# Altium PCB PCB1.PcbDoc
Units mil, origin at the board's own origin, x right, y up, seen from the top; angles counter-clockwise.
Board outline 4210 x 3355 mil, 2 copper layers (Top Layer, Bottom Layer); 4 components, 5 nets, 53 pads, 3 vias.
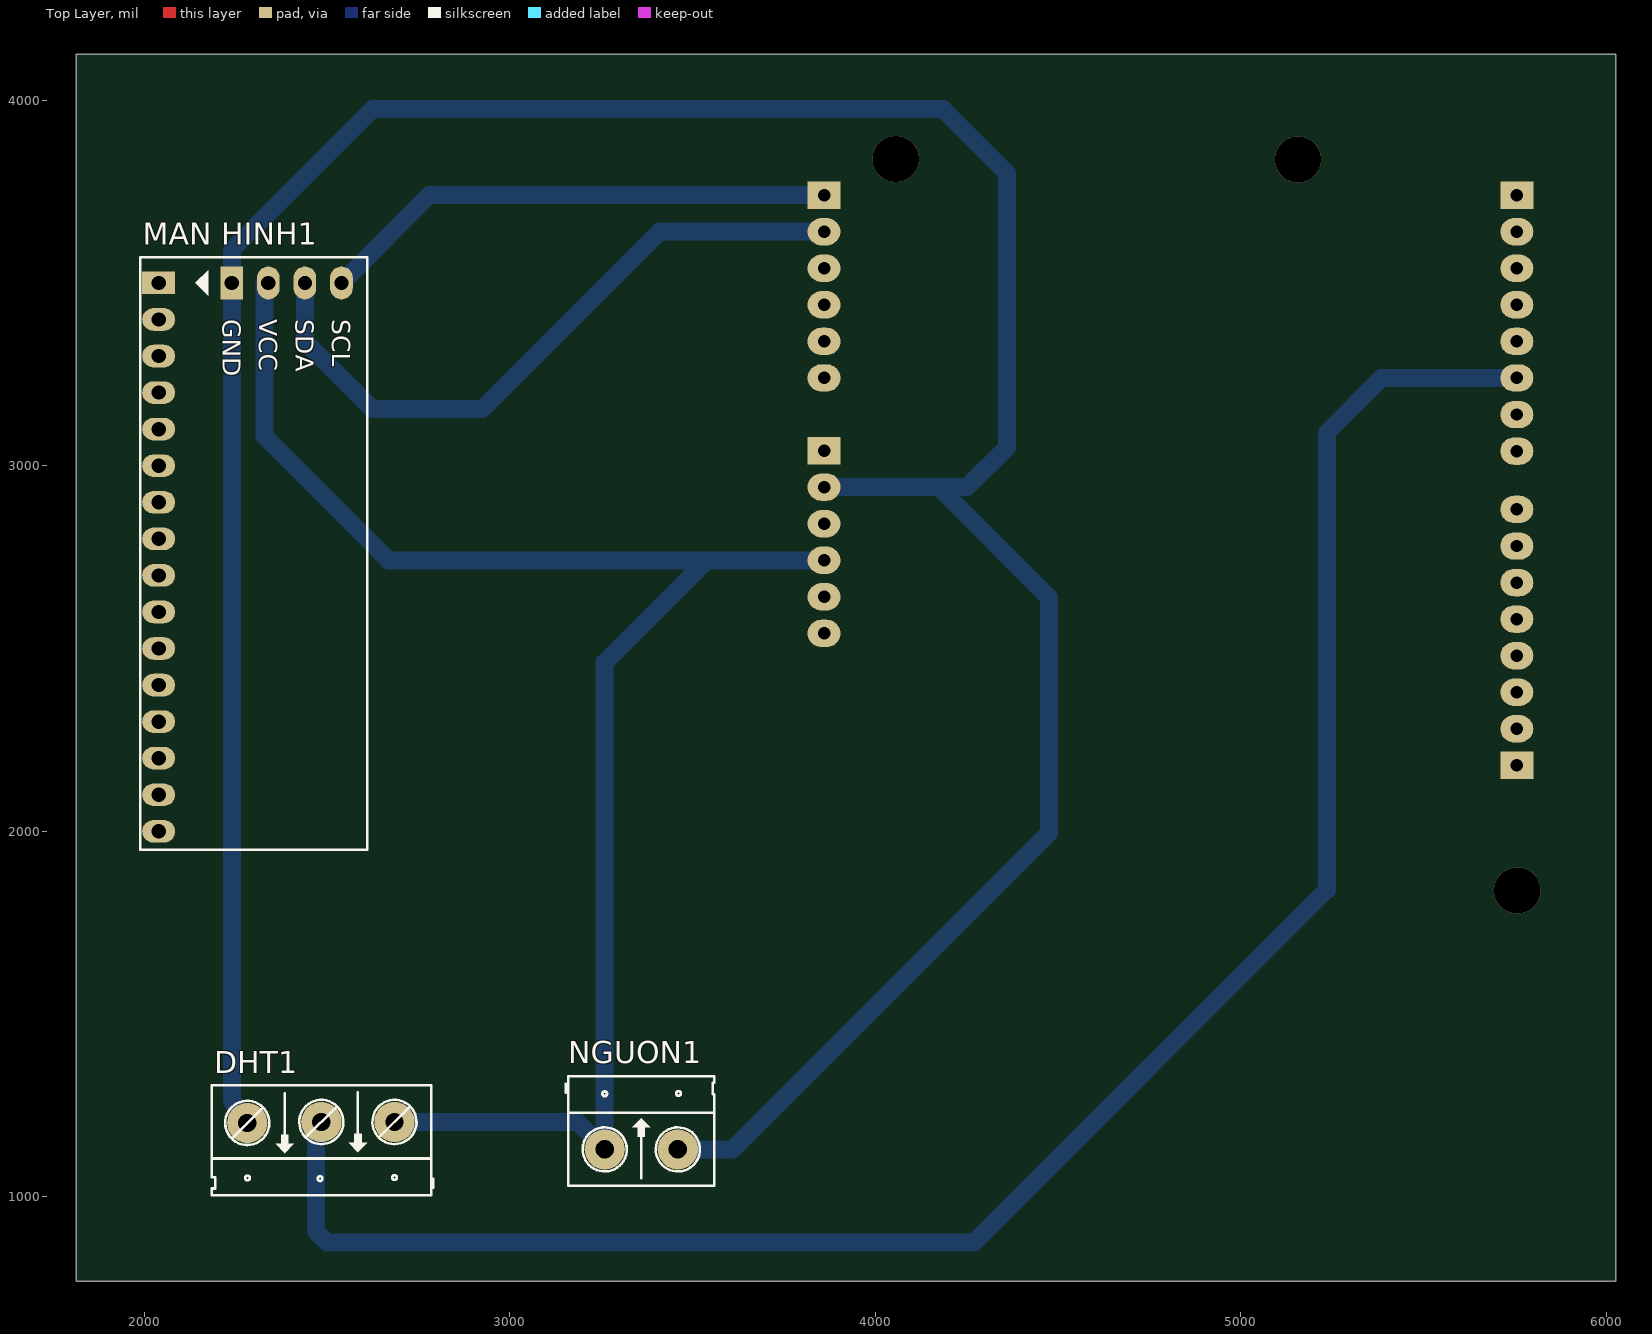
[diagram p0: Top Layer view]
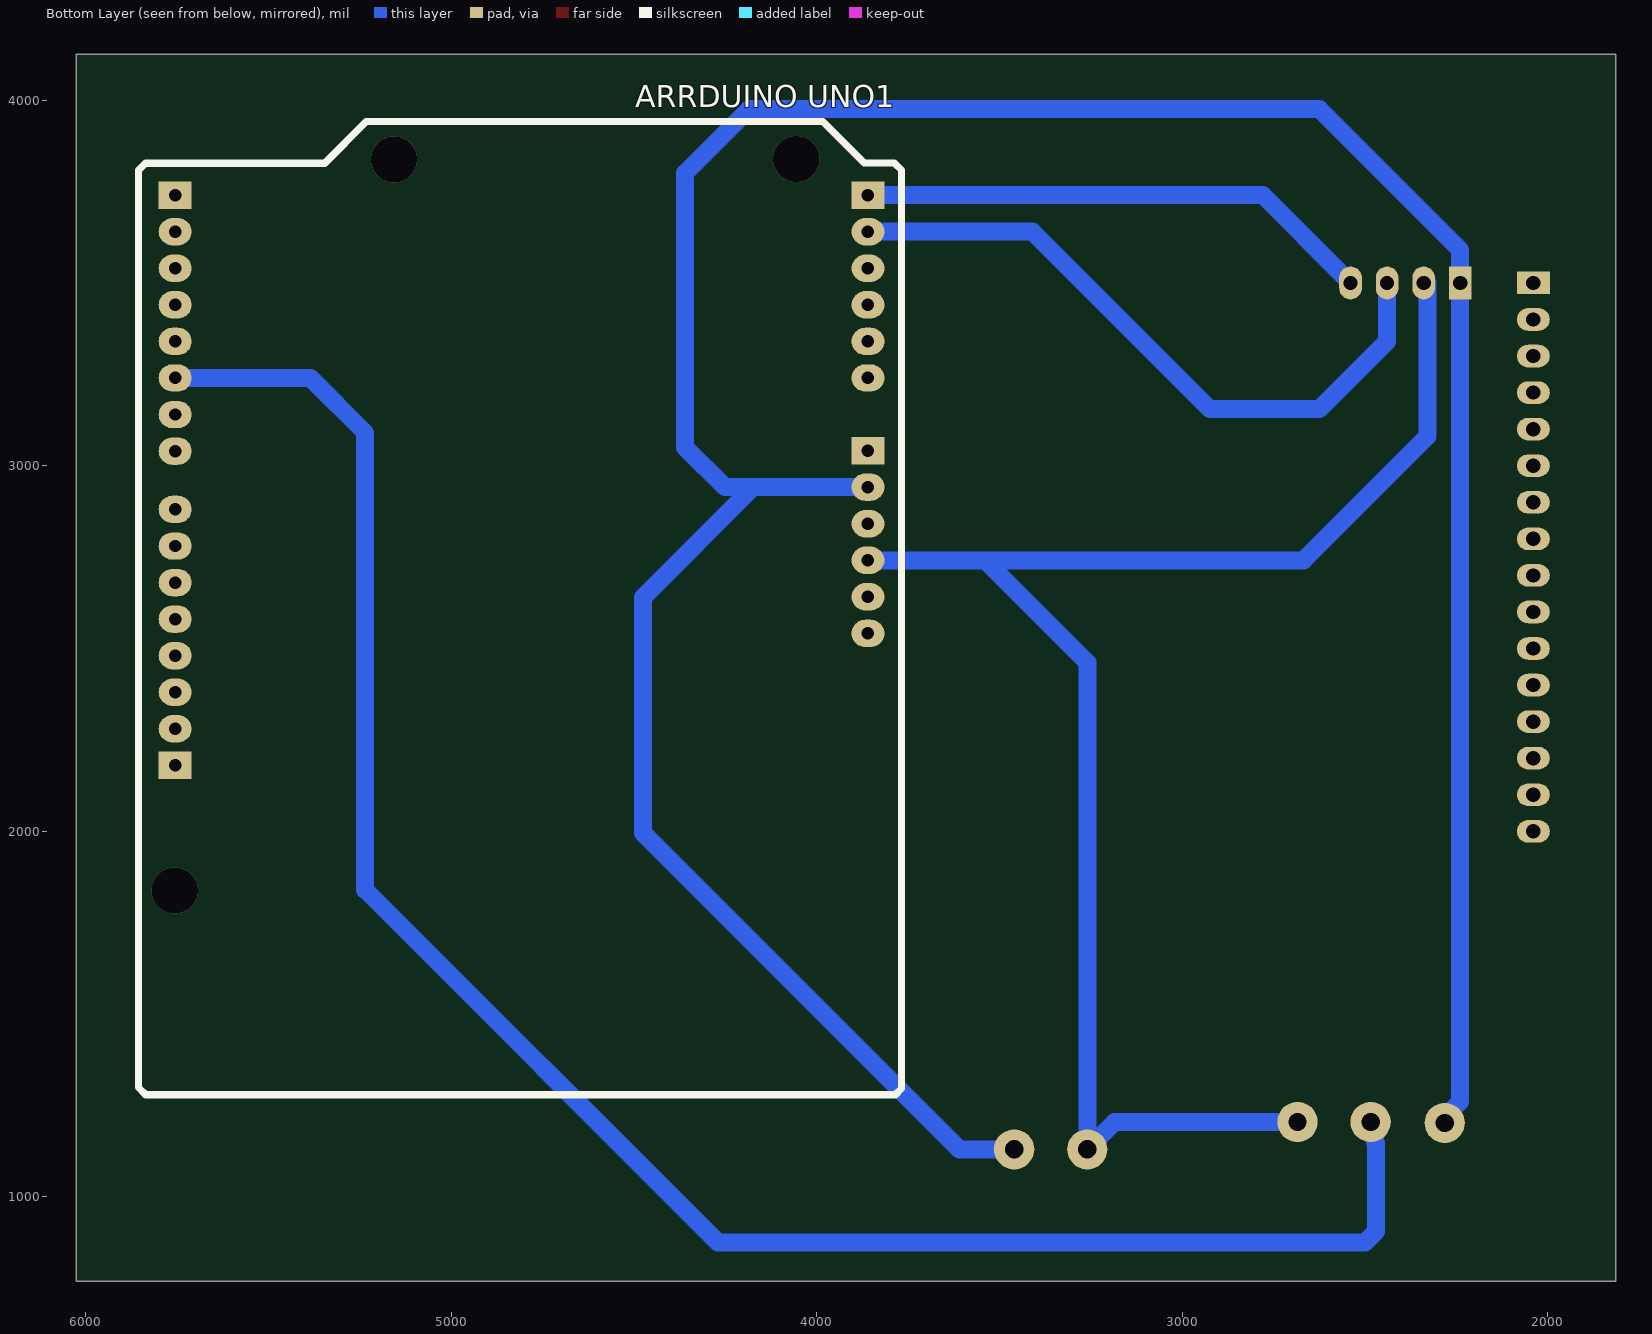
[diagram p1: Bottom Layer view, seen from below]

## Layer stack, top to bottom
Top Solder: solder mask 0.4, Solder Resist, Dk 3.5
Top Layer: signal copper 1.4
Dielectric 1: dielectric 12.6, FR-4, Dk 4.8
Bottom Layer: signal copper 1.4
Bottom Solder: solder mask 0.4, Solder Resist, Dk 3.5

## Board outline
1815,770 6025,770 6025,4125 1815,4125

## Design rules (kind name [scope] priority, off if disabled: settings)
Clearance [All] p1: gap=10 ignorepadtopadclearanceinfootprint=FALSE except(0: Arc-Hole Track-Hole SMDPad-Hole THPad-Hole Via-Hole Fill-Hole Poly-Hole Region-Hole Text-Hole)
DiffPairsRouting [All] p1: maxlimit=49.21 minlimit=39.37 mostfreqgap=39.37 toplayer_minwidth=15 toplayer_maxwidth=15 toplayer_prefwidth=15 bottomlayer_minwidth=15 bottomlayer_maxwidth=15 bottomlayer_prefwidth=15 maxuncoupledlength=500
PolygonConnect [All] p1: connectstyle=Relief reliefconductorwidth=10 reliefentries=4 polygonreliefangle="90 Angle" airgapwidth=10
RoutingVias [All] p1: holewidth=28 width=50 viastyle="Through Hole" minholewidth=28 minwidth=50 maxholewidth=28 maxwidth=50
SolderMaskExpansion [All] p1: expansion=4 istentingtop=FALSE
Width [All] p1: maxlimit=59.06 minlimit=39.37 preferedwidth=49.21
29 further rules are at their usual default settings.

## Components (designator, comment, footprint, x,y, rotation, side; value= is the part's Value field where it differs from the comment)
"ARRDUINO UNO1" "ARDUINO UNO" "ARDUINO UNO" 5855,1279.37 r90 bottom
DHT1 "Header 3" HED3 2685,1205 r180 top
"MAN HINH1" "I2C-LCD16x2" I2C-LCD16X2 2040,3500 r270 top value=LCD16x2A
NGUON1 "Header 2" HED2 3260,1130 r0 top

## Footprints (in the part's own frame and the unit in brackets; to place one, negate y for a bottom-side part, rotate by r counter-clockwise, add the part's x,y. Pads: shape width x height; smd on the part's side, far side on the other; paste and mask are expansions set on the pad)
"ARDUINO UNO" [mil]
  rect 75x90 hole 34: 0(2460.63,-100) 15(901,-100) 21(1762,-1995) 27(2460.63,-1995)
  oval 75x90 hole 34: 1(2360.63,-100) 2(2260.63,-100) 3(2160.63,-100) 4(2060.63,-100) 5(1960.63,-100) 6(1860.63,-100) 7(1760.63,-100) 8(1601,-100) 9(1501,-100) 10(1401,-100) 11(1301,-100) 12(1201,-100) 13(1101,-100) 14(1001,-100) 16(1262,-1995) 17(1362,-1995) 18(1462,-1995) 19(1562,-1995) 20(1662,-1995) 22(1960.63,-1995) 23(2060.63,-1995) 24(2160.63,-1995) 25(2260.63,-1995) 26(2360.63,-1995)
  silkscreen extent 0,-2087 2662,0, body extent -291,-2099 2659,1, height 485
HED2 [mil] "Header 2, 2 pin, hight 300mil, Pin to Pin 200, Colour Green"
  round 110 hole 50: 1(0,0) 2(200,0)
  silkscreen extent -106,-100 300,200, body extent -92,-90 302,205, height 394
HED3 [mil] "Header 3, 3 pin, hight 300mil, Pin to Pin 200, Colour Green"
  round 110 hole 50: 1(0,0) 2(200,0) 3(402.62,2.62)
  silkscreen extent -106,-100 500,200
I2C-LCD16X2 [mil] "LCD dipslay 16x2, 16 pin"
  rect 62x90 hole 39: 1(0,0)
  oval 62x90 hole 39: 2(100,0) 3(200,0) 4(300,0) 5(400,0) 6(500,0) 7(600,0) 8(700,0) 9(800,0) 10(900,0) 11(1000,0) 12(1100,0) 13(1200,0) 14(1300,0) 15(1400,0) 16(1500,0)
  oval 90x62 hole 39: 17(0,500) 18(0,400) 19(0,300)
  rect 90x62 hole 39: 20(0,200)
  silkscreen extent -70,-50 1550,570

## Part data
DHT1: library part Hed3, "Header 3 (Green)"
"MAN HINH1": "LCD dipslay 16 char, 2 line"
NGUON1: "Header 2 (Green)"

## Via types
v1: diameter 125.98, hole 125.98, Top Layer to Bottom Layer, 3 vias

## Nets (pads, with @x,y where several pads share a name; then routed paths per layer and width w, separated by ;. In a path a pad name is that pad's centre, name@x,y a point inside that pad or via, vN(x,y) a via of type N, cw(c..) or ccw(c..) an arc to the next point about the centre after c; other vN are vias at no path point)
GND: "ARRDUINO UNO1.20" "MAN HINH1.20" DHT1.3 NGUON1.2 | length 8513.1
  Bottom Layer w49.21: DHT1.3@2282.38,1185.93 DHT1.3 2282.38,1218.83 2240,1261.21 2240,3500 2240,3590 2625,3975 4185,3975 4360,3800 4360,3050 4251.37,2941.37 4173.63,2941.37 ; NGUON1.2 3610,1130 4475,1995 4475,2640 4173.63,2941.37 ; 3860,2941.37 4173.63,2941.37
"NetARRDUINO UNO1_5": "ARRDUINO UNO1.5" DHT1.2 | length 5321.2
  Bottom Layer w49.21: DHT1.2 2480,1205 2470,1195 2473.37,1191.63 2473.37,1150.39 2470,1147.02 2470,905 2500,875 4270,875 5235,1840 5235,3090 5385,3240 5755,3240
"NetARRDUINO UNO1_26": "ARRDUINO UNO1.26" "MAN HINH1.18" | length 1857.5
  Bottom Layer w49.21: 2440,3500 2440,3340 2625,3155 2925,3155 3410,3640 3860,3640
"NetARRDUINO UNO1_27": "ARRDUINO UNO1.27" "MAN HINH1.17" | length 1425.6
  Bottom Layer w49.21: 2540,3500 2540,3510.54 2545.91,3516.45 2556.45,3516.45 2780,3740 3860,3740
VCC: "ARRDUINO UNO1.18" "MAN HINH1.19" DHT1.1 NGUON1.1 | length 4433.7
  Bottom Layer w49.21: 2340,3500 2330,3500 2330,3080 2668.63,2741.37 3540,2741.37 ; DHT1.1 3185,1205 NGUON1.1 3260,2461.37 3540,2741.37 ; 3860,2741.37 3540,2741.37
pads on no net: "ARRDUINO UNO1.0" "ARRDUINO UNO1.1" "ARRDUINO UNO1.2" "ARRDUINO UNO1.3" "ARRDUINO UNO1.4" "ARRDUINO UNO1.6" "ARRDUINO UNO1.7" "ARRDUINO UNO1.8" "ARRDUINO UNO1.9" "ARRDUINO UNO1.10" "ARRDUINO UNO1.11" "ARRDUINO UNO1.12" "ARRDUINO UNO1.13" "ARRDUINO UNO1.14" "ARRDUINO UNO1.15" "ARRDUINO UNO1.16" "ARRDUINO UNO1.17" "ARRDUINO UNO1.19" "ARRDUINO UNO1.21" "ARRDUINO UNO1.22" "ARRDUINO UNO1.23" "ARRDUINO UNO1.24" "ARRDUINO UNO1.25" "MAN HINH1.1" "MAN HINH1.2" "MAN HINH1.3" "MAN HINH1.4" "MAN HINH1.5" "MAN HINH1.6" "MAN HINH1.7" "MAN HINH1.8" "MAN HINH1.9" "MAN HINH1.10" "MAN HINH1.11" "MAN HINH1.12" "MAN HINH1.13" "MAN HINH1.14" "MAN HINH1.15" "MAN HINH1.16"
copper on no net:
  other v1: 5756,1838.37 4056,3838.43 5156.34,3838.09

## Text inside footprints (layer, text, board x,y; h text height)
"MAN HINH1": Top Overlay "SCL" at 2515,3400 h50 r270; Top Overlay "SDA" at 2415,3400 h50 r270; Top Overlay "VCC" at 2315,3400 h50 r270; Top Overlay "GND" at 2215,3400 h50 r270